# KiCad board USB Cable Tester.kicad_pcb (continued)
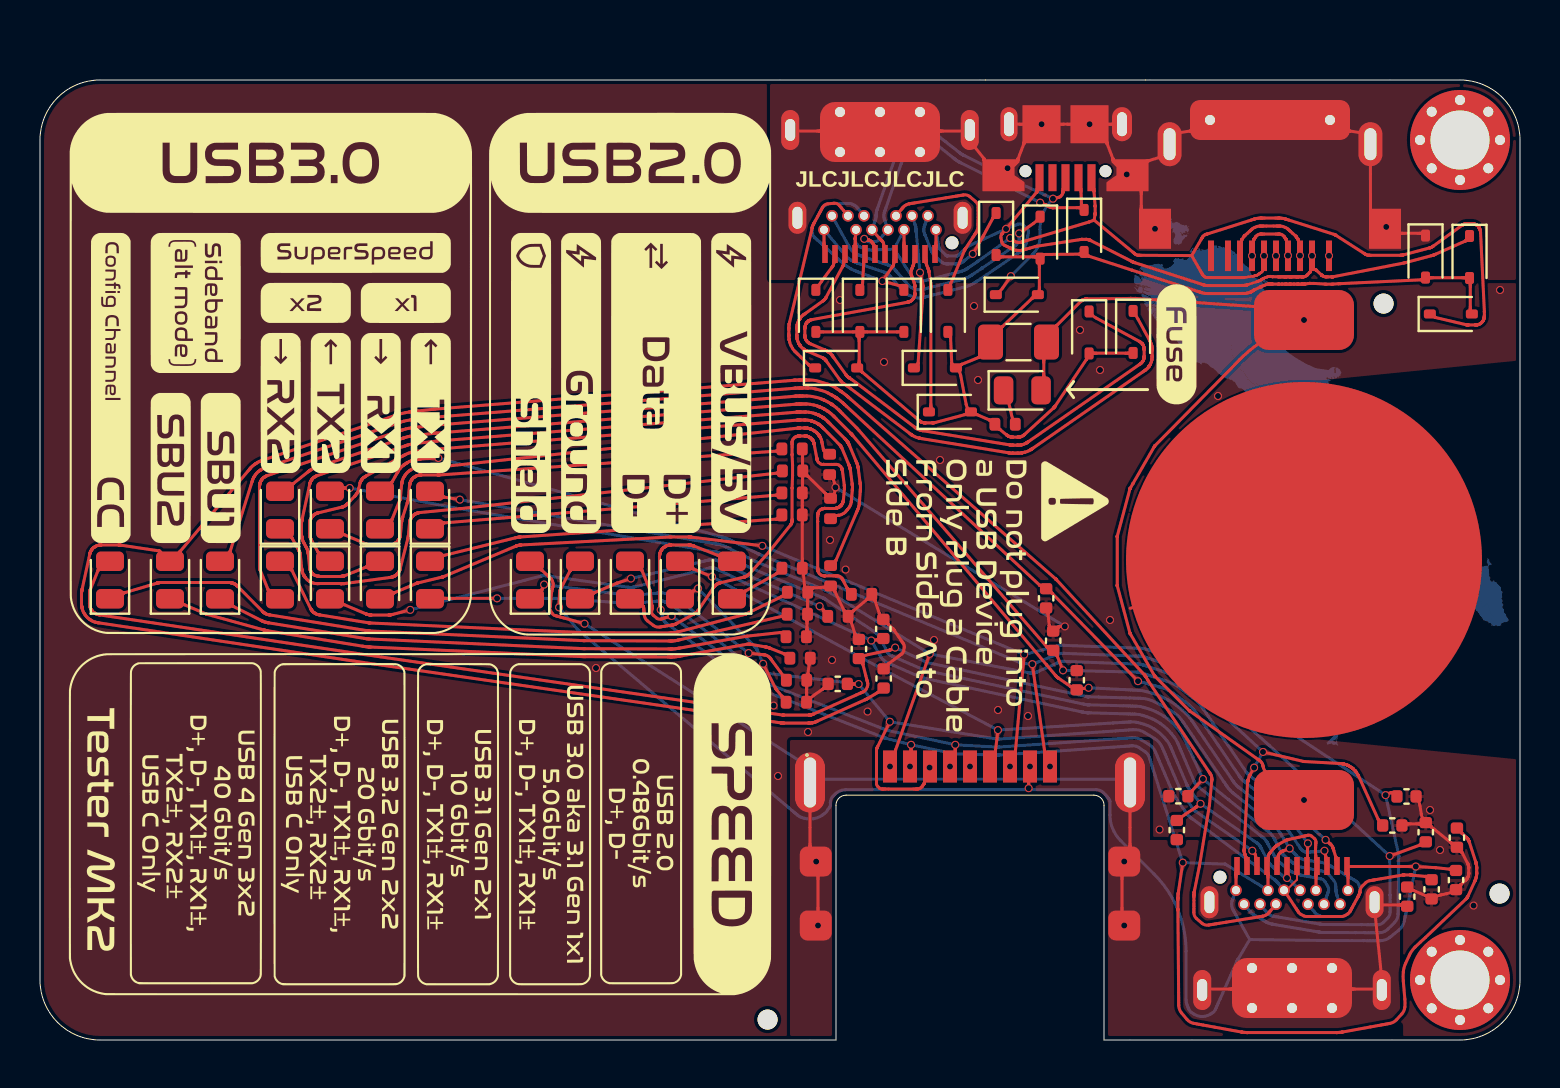
[diagram p0: board, top side]
## Routing (per net, layer and track width the routed paths; a pad name or vN(x,y) marks a point on that pad's centre or on a via; arc(x,y) is an arc through that point) (continued)
Net-(D21-K): length 32.6
  Top w0.15: D21.1 52.56,36.3 arc(52.67,36.19) 52.8,36.1 54.96,34.93 arc(54.97,34.93) 54.97,34.93 arc(54.97,34.93) 54.98,34.93 54.98,34.92 arc(54.98,34.92) 54.99,34.92 arc(54.99,34.92) 54.99,34.91 55.01,34.9 arc(55.03,34.89) 55.04,34.88 arc(55.05,34.87) 55.07,34.86 55.09,34.84 arc(55.1,34.83) 55.11,34.81 55.13,34.78 arc(55.13,34.78) 55.13,34.78 55.15,34.75 arc(55.16,34.74) 55.17,34.72 55.18,34.69 arc(55.18,34.68) 55.19,34.66 55.2,34.61 arc(55.2,34.6) 55.2,34.6 arc(55.2,34.59) 55.2,34.58 55.2,34.56 arc(55.21,34.56) 55.21,34.55 55.21,34.16 arc(55.21,34.15) 55.2,34.14 55.2,34.13 arc(55.2,34.12) 55.2,34.11 55.19,34.04 arc(55.18,34.03) 55.18,34.01 55.17,33.98 arc(55.16,33.97) 55.15,33.96 55.13,33.92 arc(55.12,33.91) 55.11,33.89 arc(55.1,33.88) 55.09,33.87 55.07,33.85 arc(55.06,33.84) 55.05,33.83 54.98,33.78 49.42,29.91 arc(49.41,29.91) 49.41,29.91 arc(49.4,29.9) 49.39,29.9 49.33,29.85 arc(49.3,29.84) 49.26,29.82 49.2,29.79 arc(49.16,29.78) 49.13,29.77 49.06,29.76 arc(49.04,29.76) 49.02,29.75 arc(49.01,29.75) 48.99,29.75 48.95,29.74 arc(48.94,29.74) 48.92,29.74 48.62,29.74 arc(48.6,29.74) 48.59,29.74 48.56,29.74 arc(48.54,29.75) 48.53,29.75 48.46,29.76 44.15,30.46 arc(44.14,30.46) 44.13,30.47 arc(44.12,30.47) 44.11,30.47 44.04,30.48 arc(44.01,30.49) 43.97,30.5 43.91,30.53 arc(43.88,30.55) 43.84,30.56 43.8,30.59 arc(43.8,30.6) 43.8,30.6 arc(43.8,30.6) 43.79,30.6 43.79,30.6 arc(43.78,30.61) 43.77,30.62 43.76,30.62 arc(43.74,30.64) 43.72,30.65 40.78,32.88 arc(40.68,32.96) 40.58,33.03 40.48,33.1 arc(40.47,33.1) 40.46,33.11 40.44,33.12 arc(40.44,33.13) 40.43,33.13 40.43,33.13 arc(40.41,33.14) 40.4,33.15 arc(40.39,33.16) 40.38,33.17 40.36,33.18 arc(40.35,33.19) 40.34,33.21 40.32,33.23 arc(40.32,33.23) 40.32,33.24 arc(40.32,33.24) 40.31,33.24 40.3,33.26 arc(40.3,33.26) 40.3,33.26 39.6,34.25 arc(39.58,34.27) 39.55,34.3 39.51,34.34 arc(39.48,34.36) 39.45,34.38 39.38,34.43 arc(39.36,34.44) 39.35,34.45 39.32,34.47 arc(39.3,34.47) 39.29,34.48 39.21,34.51 38.52,34.81 arc(38.51,34.81) 38.5,34.82 arc(38.5,34.82) 38.49,34.82 38.48,34.83 arc(38.47,34.83) 38.46,34.84 arc(38.46,34.84) 38.45,34.85 38.44,34.85 arc(38.44,34.85) 38.44,34.85 38.43,34.86 arc(38.42,34.87) 38.41,34.87 38.41,34.88 arc(38.39,34.89) 38.38,34.9 38.36,34.92 arc(38.35,34.93) 38.34,34.94 38.3,35.01 arc(38.29,35.02) 38.28,35.04 38.27,35.06 arc(38.26,35.08) 38.26,35.1 38.25,35.15 arc(38.25,35.15) 38.25,35.16 arc(38.25,35.17) 38.25,35.18 38.24,35.19 arc(38.24,35.2) 38.24,35.21 38.24,35.6 arc(38.24,35.61) 38.24,35.62 38.25,35.63 arc(38.25,35.64) 38.25,35.65 38.25,35.68 arc(38.26,35.7) 38.26,35.71 arc(38.26,35.73) 38.27,35.74 38.28,35.77 arc(38.29,35.79) 38.3,35.8 38.32,35.83 arc(38.32,35.83) 38.32,35.83 arc(38.32,35.83) 38.32,35.83 38.34,35.86 arc(38.35,35.88) 38.36,35.89 38.38,35.91 arc(38.39,35.92) 38.41,35.93 38.44,35.95 arc(38.44,35.96) 38.44,35.96 38.47,35.98 arc(38.48,35.98) 38.5,35.99 38.53,36 arc(38.54,36.01) 38.56,36.01 38.62,36.02 arc(38.62,36.03) 38.63,36.03 43.36,36.88 arc(43.36,36.88) 43.37,36.89 43.43,36.9 arc(43.44,36.9) 43.46,36.91 43.49,36.92 arc(43.5,36.93) 43.52,36.93 43.58,36.98 arc(43.59,36.99) 43.6,37 43.63,37.02 arc(43.64,37.03) 43.65,37.04 43.69,37.11 arc(43.7,37.12) 43.7,37.14 43.72,37.16 arc(43.72,37.18) 43.73,37.2 43.74,37.26 arc(43.74,37.27) 43.74,37.28 43.74,37.29 arc(43.74,37.3) 43.74,37.31 43.74,37.7 arc(43.74,37.71) 43.74,37.72 43.74,37.73 arc(43.74,37.74) 43.74,37.75 arc(43.74,37.76) 43.74,37.76 43.73,37.79 arc(43.73,37.8) 43.73,37.81 arc(43.73,37.81) 43.72,37.82 43.72,37.83 arc(43.72,37.84) 43.72,37.84 arc(43.71,37.85) 43.71,37.86 43.56,38.25 arc(43.55,38.29) 43.55,38.34 43.55,38.42 arc(43.56,38.46) 43.57,38.5 43.67,38.75 arc(43.67,38.77) 43.68,38.78 43.68,38.81 arc(43.68,38.82) 43.69,38.84 43.69,38.89 arc(43.69,38.92) 43.69,38.96 J4.A3
Net-(D22-K): length 8
  Top w0.15: D22.1 44.52,31.52 arc(44.54,31.56) 44.54,31.59 44.54,37.71 arc(44.54,37.73) 44.54,37.75 44.54,37.8 arc(44.54,37.82) 44.53,37.84 44.44,38.45 arc(44.44,38.46) 44.44,38.48 44.43,38.5 arc(44.43,38.52) 44.42,38.53 44.34,38.73 arc(44.34,38.74) 44.33,38.75 arc(44.33,38.77) 44.32,38.78 44.32,38.81 arc(44.32,38.82) 44.32,38.82 arc(44.32,38.82) 44.31,38.84 44.31,38.89 arc(44.31,38.92) 44.31,38.96 J4.A2
Net-(D24-Pad1): length 2.9
  Top w0.15: D24.1 35.26,22.44 arc(35.26,22.44) 35.26,22.44 arc(35.26,22.44) 35.26,22.44 arc(35.26,22.44) 35.26,22.44 36.85,23.33 arc(36.85,23.33) 36.85,23.33 36.85,23.33 arc(36.85,23.33) 36.85,23.33 R22.1
Net-(D25-K): length 10.9
  Top w0.15: J4.A5 42.69,38.96 arc(42.69,38.92) 42.69,38.89 42.69,38.83 arc(42.68,38.8) 42.68,38.78 42.66,38.74 arc(42.66,38.72) 42.64,38.7 42.58,38.61 v1(42.12,37.95) 42.97,37.71 arc(42.97,37.71) 42.97,37.71 arc(42.97,37.71) 42.97,37.71 D25.1
  Bottom w0.15: v1(42.12,37.95) 40.72,38.47 arc(40.62,38.52) 40.53,38.57 40.35,38.68 arc(40.27,38.74) 40.18,38.8 39.79,39.16 38.72,40.14 arc(38.66,40.22) 38.63,40.31 38.59,40.51 arc(38.59,40.61) 38.63,40.7 39.1,41.58 arc(39.15,41.64) 39.21,41.7 39.36,41.78 arc(39.43,41.81) 39.52,41.83 40.47,41.83 arc(40.54,41.82) 40.6,41.8 40.72,41.74 arc(40.78,41.7) 40.83,41.66 J4.B5
Net-(D26-K): length 48.5
  Top w0.15: J4.S1 37.51,45.48 arc(37.52,45.46) 37.53,45.45 39.03,45.45 arc(39.07,45.45) 39.11,45.45 40.83,45.42 arc(42,45.41) 43.17,45.42 44.89,45.45 arc(44.93,45.45) 44.97,45.45 46.46,45.45 arc(46.48,45.46) 46.49,45.48 46.49,45.23 arc(46.53,44.97) 46.66,44.74 47.18,44.09 arc(47.18,44.09) 47.19,44.08 arc(47.19,44.08) 47.19,44.07 47.2,44.06 arc(47.2,44.05) 47.2,44.05 47.2,44 arc(47.21,43.97) 47.23,43.94 47.76,43.55 arc(48.16,43.43) v1(48.38,43.59) arc(48.16,43.43) 48.54,43.6 48.87,43.94 arc(48.89,43.97) 48.9,44 48.9,44.04 arc(48.9,44.05) 48.9,44.05 48.9,44.06 arc(48.9,44.06) 48.9,44.06 arc(48.91,44.07) 48.91,44.07 49.19,44.81 arc(49.19,44.81) 49.2,44.82 arc(49.2,44.82) 49.2,44.82 49.2,44.83 arc(49.2,44.83) 49.2,44.84 49.2,44.88 arc(49.21,44.91) 49.23,44.94 J3.6 ; J3.6 v1(54.34,43.28) 53.68,43.94 arc(53.66,43.97) 53.65,44 53.65,44.04 arc(53.65,44.05) 53.65,44.05 53.65,44.06 arc(53.65,44.06) 53.65,44.06 arc(53.64,44.07) 53.64,44.07 53.36,44.81 arc(53.36,44.81) 53.35,44.82 arc(53.35,44.82) 53.35,44.82 53.35,44.83 arc(53.35,44.83) 53.35,44.84 53.35,44.88 arc(53.34,44.91) 53.32,44.94 J3.6 ; J3.6 55.32,43.94 arc(55.35,43.96) 55.39,43.97 55.43,43.97 arc(55.43,43.97) 55.43,43.97 55.44,43.97 arc(55.44,43.97) 55.44,43.97 arc(55.45,43.97) 55.45,43.97 56.24,44.22 arc(56.41,44.34) 56.48,44.54 56.48,45.04 arc(56.55,45.23) 56.73,45.33 57.5,45.45 arc(57.5,45.45) 57.5,45.45 arc(57.5,45.45) 57.5,45.45 60.35,45.84 arc(61.5,45.92) 62.66,45.84 65.5,45.45 65.5,45.45 arc(65.5,45.45) 65.5,45.45 66.27,45.33 arc(66.45,45.23) 66.52,45.04 66.52,44.6 66.52,44.29 66.52,43.79 66.52,43.29 66.53,41.56 66.53,41.52 arc(66.53,41.49) 66.55,41.46 67.02,40.86 arc(67.28,40.61) v1(67.31,40.65) arc(67.28,40.61) 67.61,40.45 67.94,40.34 arc(67.98,40.34) 68.01,40.33 69.09,40.33 arc(69.12,40.33) 69.16,40.31 D26.1 ; J3.6 55.04,42.54 arc(55.06,42.51) 55.06,42.48 55.06,41.52 arc(55.07,41.49) 55.08,41.45 v1(55.75,40.56) ; J3.6 J3.6 ; J3.6 v1(50.08,45.79) J3.6 ; J3.6 v1(52.48,45.79) J3.6
Net-(D28-K): length 18.6
  Top w0.15: v1(50.01,41.87) 50.27,41.76 arc(50.28,41.76) 50.29,41.76 arc(50.3,41.75) 50.3,41.75 50.32,41.74 arc(50.33,41.74) 50.33,41.73 50.37,41.71 arc(50.38,41.7) 50.38,41.7 50.38,41.7 arc(50.38,41.7) 50.39,41.7 arc(50.39,41.7) 50.39,41.7 50.42,41.68 arc(50.45,41.66) 50.48,41.65 50.54,41.63 arc(50.58,41.62) 50.61,41.62 52.02,41.62 arc(52.05,41.61) 52.09,41.59 52.13,41.56 arc(52.16,41.56) 52.17,41.59 52.07,41.8 arc(52.07,41.8) 52.07,41.8 arc(52.07,41.8) 52.07,41.81 52.05,42.4 arc(52.05,42.44) 52.05,42.48 arc(52.05,42.51) 52.04,42.55 J3.2 ; J4.A7 41.69,39.64 arc(41.69,39.68) 41.69,39.71 41.69,39.75 arc(41.68,39.76) 41.68,39.77 41.68,39.78 arc(41.68,39.79) 41.67,39.79 41.57,39.92 arc(41.56,39.93) 41.55,39.95 41.51,39.97 arc(41.49,39.98) 41.48,39.98 41.45,39.99 arc(41.45,39.99) 41.44,39.99 41.43,40 arc(41.43,40) 41.42,40 arc(41.42,40) 41.41,40 41.41,40.01 arc(41.41,40.01) 41.4,40.01 arc(41.4,40.01) 41.4,40.01 41.39,40.01 arc(41.39,40.01) 41.38,40.01 arc(41.38,40.01) 41.38,40.01 v1(41.21,40.06)
  Bottom w0.15: v1(50.01,41.87) 45.94,43.91 arc(45.91,43.93) 45.88,43.94 45.83,43.98 arc(45.81,43.99) 45.78,44.01 45.66,44.11 44.41,45.1 arc(44.32,45.16) 44.21,45.19 44.09,45.2 arc(43.86,45.2) 43.65,45.13 arc(43.46,45) 43.32,44.83 43.25,44.73 arc(43.21,44.63) 43.19,44.52 43.19,44.35 arc(43.19,44.3) 43.18,44.25 43.17,44.15 arc(43.16,44.11) 43.14,44.06 43.06,43.82 42.23,41.42 42.21,41.36 arc(42.2,41.31) 42.2,41.26 42.2,41.16 arc(42.2,41.11) 42.21,41.06 42.35,40.65 arc(42.36,40.52) 42.3,40.4 41.97,40.02 arc(41.87,39.95) 41.76,39.92 41.52,39.91 arc(41.41,39.92) 41.31,39.97 v1(41.21,40.06)
Net-(D29-K): length 7.8
  Top w0.15: D29.1 43.9,33.83 arc(43.9,33.83) 43.9,33.83 arc(43.9,33.83) 43.9,33.83 44.14,37.24 arc(44.14,37.27) 44.14,37.29 arc(44.14,37.32) 44.14,37.34 44.14,37.71 arc(44.14,37.73) 44.14,37.75 44.14,37.78 arc(44.14,37.8) 44.13,37.82 44.12,37.86 arc(44.12,37.88) 44.12,37.89 arc(44.11,37.91) 44.11,37.92 v1(44,38.37)
  Bottom w0.15: v1(44,38.37) 43.81,40.41 arc(43.81,40.42) 43.81,40.43 arc(43.81,40.44) 43.81,40.45 43.81,40.48 arc(43.81,40.49) 43.81,40.5 43.81,40.54 arc(43.8,40.56) 43.8,40.58 43.79,40.63 arc(43.79,40.66) 43.78,40.68 J4.B10
Net-(D31-Pad1): length 13.4
  Top w0.15: D31.1 27.69,22.35 arc(27.69,22.35) 27.69,22.35 27.7,22.35 arc(27.7,22.36) 27.7,22.36 28.82,22.83 arc(28.82,22.83) 28.83,22.83 arc(28.83,22.83) 28.83,22.84 28.84,22.84 arc(28.84,22.84) 28.84,22.84 arc(28.85,22.84) 28.85,22.84 v1(29.55,23.07) ; v1(38.98,21.69) 39.18,21.48 arc(39.18,21.48) 39.18,21.48 arc(39.18,21.48) 39.18,21.48 R23.1
  Bottom w0.15: v1(38.98,21.69) 35.51,23.17 arc(35.47,23.19) 35.43,23.21 arc(35.39,23.23) 35.35,23.25 33.91,23.96 arc(33.84,23.99) 33.77,24 33.62,24.02 arc(33.55,24.02) 33.48,24.01 33.11,23.92 v1(29.55,23.07)
Net-(D39-Pad1): length 14.8
  Top w0.15: R24.1 37.21,18.14 arc(37.11,18.29) 37,18.43 36.49,19.12 arc(36.46,19.15) 36.42,19.18 36.34,19.23 arc(36.3,19.24) 36.25,19.25 36.02,19.28 v1(35.43,19.35) ; D39.1 25.09,22.51 arc(25.09,22.51) 25.09,22.51 25.09,22.51 arc(25.09,22.51) 25.1,22.52 v1(25.2,22.77)
  Bottom w0.15: v1(25.2,22.77) 29.44,22.23 29.46,22.23 arc(29.49,22.23) 29.51,22.22 29.56,22.22 arc(29.58,22.22) 29.6,22.23 29.72,22.24 31.02,22.36 arc(31.08,22.36) 31.15,22.35 31.27,22.33 arc(31.34,22.31) 31.39,22.28 31.98,21.95 arc(32,21.94) 32.01,21.94 arc(32.02,21.93) 32.03,21.92 32.06,21.9 arc(32.07,21.9) 32.08,21.89 32.14,21.84 v1(35.43,19.35)
Net-(D40-Pad1): length 34.9
  Top w0.15: R25.1 37.19,21.2 arc(37.16,21.18) 37.12,21.18 37.09,21.18 arc(37.08,21.18) 37.08,21.18 37.08,21.18 arc(37.07,21.18) 37.07,21.18 arc(37.07,21.18) 37.07,21.18 31.93,20 31.83,19.97 arc(31.79,19.97) 31.76,19.96 31.68,19.95 arc(31.65,19.95) 31.61,19.95 31.43,19.95 27.24,19.96 arc(27.22,19.96) 27.21,19.97 arc(27.19,19.97) 27.17,19.97 16.51,20.45 arc(16.49,20.45) 16.48,20.45 arc(16.46,20.45) 16.44,20.45 16.41,20.46 arc(16.4,20.46) 16.38,20.46 11.5,21.25 arc(11.49,21.25) 11.49,21.25 arc(11.48,21.26) 11.47,21.26 11.37,21.28 arc(11.36,21.28) 11.34,21.29 11.31,21.3 arc(11.3,21.31) 11.28,21.31 11.18,21.38 arc(11.18,21.38) 11.17,21.39 11.16,21.4 arc(11.15,21.41) 11.15,21.41 9.85,22.71 arc(9.85,22.72) 9.84,22.72 9.83,22.74 arc(9.82,22.74) 9.82,22.75 9.72,22.81 arc(9.7,22.82) 9.69,22.83 9.66,22.84 arc(9.64,22.84) 9.63,22.85 9.51,22.87 arc(9.5,22.87) 9.5,22.87 9.48,22.88 arc(9.47,22.88) 9.46,22.88 6.04,22.88 arc(6.03,22.88) 6.02,22.88 6,22.87 arc(6,22.87) 5.99,22.87 5.89,22.85 arc(5.89,22.85) 5.88,22.85 arc(5.88,22.85) 5.88,22.85 5.87,22.85 arc(5.87,22.85) 5.86,22.85 4.2,22.35 arc(4.2,22.35) 4.19,22.35 4.19,22.35 arc(4.19,22.35) 4.19,22.35 D40.1
Net-(D41-Pad1): length 28.8
  Top w0.15: D41.1 9.66,21.69 arc(9.66,21.69) 9.66,21.68 arc(9.66,21.68) 9.66,21.68 arc(9.66,21.68) 9.66,21.68 11.15,20.93 arc(11.17,20.92) 11.19,20.92 11.24,20.9 arc(11.26,20.89) 11.28,20.89 11.39,20.87 arc(11.4,20.86) 11.42,20.86 arc(11.43,20.86) 11.44,20.86 16.21,20.08 16.32,20.07 arc(16.34,20.06) 16.37,20.06 16.41,20.05 arc(16.43,20.05) 16.45,20.05 arc(16.47,20.05) 16.5,20.05 27.14,19.57 arc(27.17,19.57) 27.2,19.57 arc(27.22,19.57) 27.25,19.56 31.43,19.55 31.61,19.55 arc(31.65,19.55) 31.69,19.55 31.76,19.56 arc(31.8,19.56) 31.83,19.57 32.02,19.6 35.25,20.18 arc(35.28,20.18) 35.31,20.19 arc(35.34,20.19) 35.37,20.19 37.03,20.37 arc(37.03,20.37) 37.03,20.37 37.03,20.37 arc(37.03,20.37) 37.04,20.37 arc(37.04,20.37) 37.04,20.37 R26.1
Net-(D42-Pad1): length 31.5
  Top w0.15: R27.1 37.23,19.3 arc(37.23,19.3) 37.23,19.3 37.23,19.3 arc(37.23,19.3) 37.22,19.3 36.45,19.61 arc(36.43,19.62) 36.41,19.62 36.37,19.64 arc(36.35,19.64) 36.32,19.65 36.22,19.66 35.49,19.79 arc(35.47,19.8) 35.45,19.8 35.41,19.8 arc(35.39,19.8) 35.37,19.79 arc(35.35,19.79) 35.33,19.79 31.95,19.18 31.89,19.17 arc(31.85,19.17) 31.8,19.16 31.71,19.15 arc(31.67,19.15) 31.62,19.15 31.39,19.15 27.26,19.16 arc(27.22,19.17) 27.19,19.17 arc(27.15,19.17) 27.12,19.17 16.46,19.65 16.43,19.65 arc(16.4,19.65) 16.37,19.66 16.32,19.66 arc(16.29,19.67) 16.26,19.67 16.13,19.69 11.38,20.46 arc(11.36,20.46) 11.34,20.47 arc(11.32,20.47) 11.3,20.47 11.27,20.48 arc(11.26,20.48) 11.25,20.49 11.23,20.49 arc(11.22,20.49) 11.21,20.5 11.16,20.51 8.37,21.28 arc(8.36,21.28) 8.36,21.28 arc(8.35,21.28) 8.35,21.28 8.34,21.29 arc(8.33,21.29) 8.33,21.29 7.2,21.77 arc(7.2,21.77) 7.2,21.77 7.19,21.77 arc(7.19,21.77) 7.19,21.77 D42.1
Net-(D43-Pad1): length 8.3
  Top w0.15: R28.1 37.1,17.18 arc(37.1,17.19) 37.1,17.19 37.1,17.19 arc(37.1,17.19) 37.1,17.19 36.84,17.5 arc(36.84,17.5) 36.83,17.51 arc(36.83,17.51) 36.83,17.51 36.82,17.52 arc(36.82,17.52) 36.82,17.53 arc(36.82,17.53) 36.81,17.53 36.79,17.57 arc(36.79,17.57) 36.78,17.58 arc(36.78,17.58) 36.78,17.59 36.77,17.59 arc(36.77,17.6) 36.77,17.6 arc(36.77,17.61) 36.76,17.61 v1(36.16,18.81) ; D43.1 32.66,22.44 arc(32.66,22.44) 32.66,22.44 arc(32.66,22.44) 32.66,22.44 arc(32.66,22.44) 32.66,22.44 v1(32.91,22.58)
  Bottom w0.15: v1(32.91,22.58) 35.77,19.65 arc(35.78,19.63) 35.79,19.61 35.82,19.58 arc(35.83,19.56) 35.84,19.54 35.88,19.45 v1(36.16,18.81)
Net-(D44-Pad1): length 27.2
  Top w0.15: R29.1 40.36,22.58 arc(40.36,22.58) 40.36,22.58 arc(40.36,22.58) 40.36,22.58 arc(40.36,22.58) 40.36,22.58 40.11,23.07 arc(40.08,23.11) 40.05,23.14 39.97,23.18 arc(39.93,23.2) 39.89,23.21 39.25,23.21 arc(39.25,23.21) 39.24,23.21 39.24,23.21 arc(39.24,23.21) 39.24,23.21 39.18,23.21 arc(39.12,23.21) 39.07,23.24 38.98,23.31 arc(38.94,23.35) 38.92,23.4 38.9,23.47 arc(38.9,23.48) 38.9,23.49 arc(38.9,23.49) 38.89,23.5 38.89,23.53 arc(38.89,23.54) 38.89,23.54 38.88,23.56 arc(38.88,23.57) 38.88,23.58 38.88,23.61 38.88,25.93 38.88,26.21 arc(38.88,26.21) 38.88,26.22 38.88,26.24 arc(38.88,26.25) 38.89,26.25 arc(38.89,26.26) 38.89,26.27 38.89,26.29 arc(38.89,26.29) 38.89,26.29 38.91,26.36 arc(38.92,26.41) 38.95,26.44 39.02,26.51 arc(39.06,26.54) 39.1,26.56 39.16,26.57 arc(39.17,26.57) 39.18,26.57 arc(39.18,26.58) 39.19,26.58 39.21,26.58 arc(39.22,26.58) 39.23,26.58 39.7,26.57 arc(39.71,26.57) 39.71,26.57 arc(39.72,26.57) 39.73,26.57 39.74,26.58 arc(39.74,26.58) 39.75,26.58 arc(39.76,26.58) 39.76,26.58 39.81,26.59 arc(39.82,26.59) 39.82,26.59 39.83,26.59 arc(39.84,26.59) 39.84,26.6 39.89,26.61 arc(39.89,26.62) 39.9,26.62 arc(39.91,26.62) 39.91,26.62 39.93,26.63 arc(39.93,26.63) 39.94,26.64 39.99,26.67 arc(40,26.68) 40.01,26.68 40.02,26.7 arc(40.03,26.7) 40.04,26.71 40.08,26.76 arc(40.09,26.78) 40.1,26.79 40.11,26.81 arc(40.12,26.82) 40.12,26.84 40.16,26.92 arc(40.16,26.93) 40.16,26.94 40.17,26.96 arc(40.17,26.98) 40.17,26.99 40.22,27.61 arc(40.22,27.62) 40.22,27.63 40.22,27.65 arc(40.22,27.67) 40.22,27.68 40.21,27.74 40.12,28.43 arc(40.12,28.45) 40.12,28.46 arc(40.12,28.47) 40.12,28.48 40.12,28.48 arc(40.11,28.49) 40.11,28.5 arc(40.11,28.52) 40.11,28.53 40.09,28.59 arc(40.07,28.64) 40.03,28.68 39.94,28.75 arc(39.9,28.77) 39.85,28.78 39.21,28.78 arc(39.2,28.78) 39.19,28.78 39.19,28.78 arc(39.19,28.78) 39.19,28.78 39.13,28.78 arc(39.07,28.78) 39.02,28.81 38.93,28.88 arc(38.89,28.92) 38.87,28.97 38.85,29.04 arc(38.85,29.05) 38.85,29.06 arc(38.85,29.07) 38.84,29.07 38.84,29.09 arc(38.84,29.09) 38.84,29.09 38.7,29.8 arc(38.7,29.8) 38.7,29.8 arc(38.7,29.8) 38.7,29.8 38.69,29.87 arc(38.69,29.89) 38.68,29.9 38.67,29.93 arc(38.66,29.94) 38.65,29.96 38.63,29.99 arc(38.63,29.99) 38.63,30 arc(38.63,30) 38.62,30 38.62,30.01 arc(38.62,30.01) 38.62,30.01 arc(38.62,30.01) 38.61,30.02 38.59,30.04 arc(38.58,30.06) 38.57,30.06 38.55,30.08 arc(38.54,30.09) 38.53,30.1 38.47,30.14 arc(38.46,30.15) 38.45,30.15 38.43,30.16 arc(38.42,30.17) 38.41,30.17 38.37,30.18 arc(38.36,30.18) 38.36,30.18 38.35,30.19 arc(38.35,30.19) 38.34,30.19 38.32,30.19 arc(38.31,30.19) 38.3,30.2 arc(38.3,30.2) 38.29,30.2 38.27,30.2 arc(38.27,30.2) 38.26,30.2 37.97,30.2 arc(37.96,30.2) 37.96,30.2 37.94,30.2 arc(37.93,30.2) 37.92,30.2 arc(37.92,30.19) 37.91,30.19 37.89,30.19 arc(37.88,30.19) 37.88,30.19 37.88,30.19 arc(37.87,30.18) 37.87,30.18 arc(37.87,30.18) 37.86,30.18 37.79,30.16 arc(37.74,30.14) 37.7,30.1 37.64,30.02 arc(37.61,29.97) 37.6,29.92 37.6,29.28 arc(37.6,29.27) 37.6,29.27 arc(37.6,29.26) 37.6,29.25 37.63,28.75 arc(37.63,28.75) 37.63,28.74 arc(37.63,28.73) 37.63,28.73 37.63,28.25 arc(37.63,28.24) 37.63,28.24 arc(37.63,28.23) 37.63,28.23 37.6,27.6 arc(37.6,27.6) 37.6,27.6 arc(37.6,27.59) 37.6,27.59 37.6,25.94 arc(37.6,25.92) 37.6,25.9 37.59,25.86 arc(37.58,25.84) 37.57,25.82 37.57,25.81 arc(37.56,25.8) 37.55,25.79 37.55,25.79 arc(37.55,25.78) 37.55,25.78 arc(37.54,25.77) 37.54,25.77 37.53,25.76 arc(37.53,25.76) 37.53,25.75 arc(37.53,25.75) 37.52,25.75 36.48,24.44 arc(36.47,24.43) 36.46,24.42 arc(36.45,24.41) 36.45,24.4 35.48,23.31 arc(35.47,23.3) 35.47,23.3 arc(35.46,23.29) 35.45,23.28 35.43,23.27 arc(35.43,23.26) 35.42,23.26 arc(35.41,23.25) 35.4,23.24 35.34,23.21 arc(35.33,23.2) 35.32,23.19 arc(35.31,23.18) 35.29,23.18 35.27,23.16 arc(35.25,23.16) 35.24,23.16 35.17,23.14 33.96,22.84 arc(33.94,22.84) 33.93,22.83 33.9,22.82 arc(33.89,22.81) 33.87,22.81 33.86,22.8 33.84,22.78 arc(33.84,22.78) 33.83,22.78 arc(33.83,22.78) 33.83,22.77 33.78,22.74 arc(33.76,22.73) 33.75,22.72 33.73,22.7 arc(33.72,22.69) 33.71,22.67 33.67,22.61 32.89,21.45 arc(32.88,21.44) 32.87,21.43 32.85,21.4 arc(32.84,21.39) 32.82,21.38 32.73,21.32 arc(32.73,21.32) 32.73,21.32 arc(32.72,21.32) 32.72,21.32 32.72,21.31 arc(32.71,21.31) 32.71,21.31 31.78,20.8 arc(31.76,20.79) 31.75,20.78 31.71,20.77 arc(31.69,20.76) 31.67,20.76 30.99,20.65 arc(30.82,20.66) 30.67,20.73 30.38,20.95 arc(30.27,21.08) 30.22,21.25 30.18,21.66 arc(30.18,21.66) 30.17,21.66 30.17,21.67 arc(30.17,21.68) 30.16,21.68 30.16,21.68 arc(30.16,21.69) 30.16,21.69 D44.1
Net-(D45-Pad1): length 17.7
  Top w0.15: R30.1 36.93,27.26 arc(36.9,27.25) 36.86,27.24 36.83,27.24 arc(36.82,27.24) 36.82,27.24 arc(36.82,27.24) 36.81,27.24 20.2,25.85 arc(20.2,25.85) 20.19,25.85 20.19,25.85 arc(20.19,25.85) 20.19,25.85 D45.1
Net-(D46-Pad1): length 17.9
  Top w0.15: R31.1 36.83,26.04 arc(36.83,26.04) 36.83,26.04 36.83,26.04 arc(36.83,26.04) 36.83,26.04 24.04,25.15 23.98,25.15 arc(23.97,25.15) 23.96,25.15 23.94,25.14 arc(23.92,25.14) 23.91,25.14 arc(23.9,25.14) 23.89,25.13 23.82,25.12 arc(23.81,25.12) 23.79,25.11 arc(23.78,25.11) 23.76,25.11 20.19,24.23 arc(20.19,24.23) 20.19,24.23 arc(20.19,24.23) 20.19,24.23 arc(20.19,24.23) 20.19,24.23 D46.1
Net-(D47-Pad1): length 42.8
  Top w0.15: D47.1 16.31,23.65 arc(16.31,23.65) 16.31,23.65 16.3,23.65 arc(16.3,23.64) 16.3,23.64 15.26,23.22 arc(15.25,23.22) 15.24,23.22 arc(15.24,23.22) 15.23,23.21 15.22,23.21 arc(15.21,23.21) 15.2,23.21 15.15,23.2 arc(15.15,23.2) 15.15,23.2 arc(15.15,23.2) 15.15,23.2 15.11,23.19 arc(15.1,23.19) 15.09,23.18 15.08,23.18 arc(15.08,23.18) 15.07,23.18 arc(15.07,23.18) 15.06,23.18 14.98,23.18 arc(14.97,23.18) 14.97,23.18 arc(14.96,23.17) 14.95,23.17 14.05,23.17 arc(14.04,23.17) 14.04,23.17 arc(14.03,23.17) 14.03,23.17 14.02,23.18 arc(14.02,23.18) 14.01,23.18 arc(14.01,23.18) 14,23.18 14,23.18 arc(14,23.18) 13.99,23.18 13.97,23.18 arc(13.96,23.18) 13.94,23.18 13.92,23.18 arc(13.92,23.19) 13.91,23.19 13.89,23.19 arc(13.89,23.19) 13.88,23.19 arc(13.87,23.19) 13.87,23.2 13.8,23.21 arc(13.79,23.22) 13.77,23.22 arc(13.75,23.23) 13.73,23.24 13.7,23.26 arc(13.69,23.27) 13.67,23.28 13.62,23.33 arc(13.61,23.33) 13.6,23.34 13.59,23.36 arc(13.59,23.36) 13.58,23.37 13.54,23.43 arc(13.53,23.45) 13.52,23.46 13.51,23.49 arc(13.51,23.51) 13.5,23.52 13.48,23.63 arc(13.48,23.64) 13.48,23.64 13.48,23.65 arc(13.48,23.66) 13.48,23.66 arc(13.48,23.66) 13.48,23.67 13.42,24.26 arc(13.42,24.27) 13.42,24.28 13.42,24.29 arc(13.42,24.3) 13.41,24.31 arc(13.41,24.32) 13.41,24.33 13.39,24.44 arc(13.38,24.47) 13.37,24.49 13.36,24.55 arc(13.35,24.57) 13.33,24.59 13.17,24.91 arc(13.15,24.93) 13.14,24.95 13.13,25.01 arc(13.12,25.03) 13.11,25.06 13.08,25.19 arc(13.08,25.21) 13.08,25.23 13.08,25.27 arc(13.07,25.28) 13.07,25.3 13.07,25.82 arc(13.07,25.84) 13.08,25.86 13.08,25.89 arc(13.08,25.91) 13.08,25.93 13.11,26.03 arc(13.11,26.04) 13.11,26.05 arc(13.11,26.05) 13.11,26.06 13.5,27.86 arc(13.51,27.87) 13.51,27.89 13.52,27.92 arc(13.53,27.93) 13.54,27.94 13.61,28.05 arc(13.62,28.06) 13.63,28.07 13.65,28.1 arc(13.66,28.11) 13.68,28.12 13.78,28.18 arc(13.79,28.19) 13.8,28.19 13.82,28.2 arc(13.83,28.21) 13.84,28.21 arc(13.85,28.22) 13.86,28.22 18.27,29.71 18.38,29.75 arc(18.43,29.76) 18.48,29.77 18.58,29.8 arc(18.63,29.81) 18.68,29.81 19.81,29.94 arc(19.82,29.94) 19.84,29.95 arc(19.85,29.95) 19.87,29.95 37.8,31.39 37.87,31.4 arc(37.89,31.4) 37.9,31.4 37.93,31.4 arc(37.95,31.4) 37.96,31.4 38.31,31.4 arc(38.37,31.4) 38.44,31.39 38.56,31.37 arc(38.62,31.36) 38.68,31.34 38.75,31.31 arc(38.76,31.31) 38.78,31.31 38.79,31.3 arc(38.81,31.29) 38.83,31.28 38.88,31.27 arc(38.9,31.26) 38.92,31.25 38.99,31.21 arc(39.01,31.2) 39.03,31.19 39.07,31.17 arc(39.1,31.15) 39.12,31.14 39.19,31.09 arc(39.22,31.07) 39.25,31.05 39.31,31 arc(39.34,30.97) 39.37,30.94 39.51,30.8 40.29,30.02 arc(40.3,30.01) 40.31,29.99 40.33,29.97 arc(40.34,29.95) 40.35,29.94 40.38,29.9 arc(40.38,29.9) 40.38,29.9 arc(40.38,29.9) 40.38,29.9 40.4,29.86 arc(40.41,29.85) 40.42,29.83 40.44,29.8 arc(40.45,29.79) 40.45,29.77 40.49,29.69 40.84,28.84 arc(40.85,28.81) 40.86,28.79 40.88,28.73 arc(40.89,28.71) 40.89,28.68 40.9,28.64 arc(40.9,28.62) 40.91,28.61 40.91,28.59 arc(40.92,28.55) 40.92,28.51 41.02,27.76 arc(41.02,27.73) 41.02,27.7 41.02,27.63 arc(41.02,27.6) 41.02,27.57 40.97,26.82 arc(40.96,26.77) 40.95,26.73 40.93,26.64 arc(40.92,26.59) 40.9,26.55 40.81,26.33 39.79,23.97 arc(39.79,23.97) 39.79,23.97 arc(39.79,23.97) 39.79,23.96 arc(39.79,23.96) 39.79,23.96 R32.1
Net-(D48-Pad1): length 25.3
  Top w0.15: R33.1 39.19,29.5 arc(39.19,29.5) 39.18,29.5 arc(39.18,29.5) 39.18,29.5 arc(39.18,29.5) 39.18,29.5 39.18,29.5 arc(39.18,29.5) 39.18,29.51 arc(39.18,29.51) 39.18,29.51 39.18,29.51 arc(39.17,29.51) 39.17,29.51 39.17,29.52 arc(39.17,29.52) 39.17,29.52 arc(39.17,29.52) 39.17,29.53 39.08,29.97 arc(39.07,30.01) 39.06,30.04 39.03,30.1 arc(39.01,30.13) 39,30.16 38.95,30.23 arc(38.94,30.24) 38.94,30.25 38.92,30.28 arc(38.91,30.29) 38.9,30.3 38.85,30.35 arc(38.84,30.36) 38.82,30.38 38.79,30.4 arc(38.77,30.41) 38.76,30.43 38.68,30.48 arc(38.67,30.49) 38.65,30.49 38.62,30.51 arc(38.61,30.52) 38.59,30.52 38.54,30.55 arc(38.52,30.55) 38.5,30.56 38.47,30.57 arc(38.45,30.57) 38.43,30.58 38.43,30.58 arc(38.42,30.58) 38.4,30.58 38.37,30.59 arc(38.35,30.59) 38.34,30.59 38.3,30.6 arc(38.28,30.6) 38.27,30.6 37.97,30.6 arc(37.96,30.6) 37.95,30.6 37.93,30.6 arc(37.92,30.6) 37.91,30.6 37.86,30.59 20,28.66 19.96,28.65 arc(19.95,28.65) 19.94,28.65 19.93,28.65 arc(19.92,28.65) 19.91,28.65 19.91,28.65 arc(19.91,28.65) 19.9,28.65 arc(19.9,28.65) 19.9,28.65 19.89,28.65 arc(19.88,28.65) 19.87,28.65 19.03,28.65 arc(19.01,28.65) 18.99,28.65 18.96,28.65 arc(18.94,28.64) 18.92,28.64 18.77,28.61 arc(18.74,28.6) 18.71,28.59 18.64,28.56 arc(18.61,28.55) 18.58,28.53 18.44,28.44 arc(18.41,28.42) 18.38,28.39 18.33,28.34 arc(18.31,28.32) 18.29,28.29 18.19,28.15 arc(18.18,28.12) 18.16,28.09 18.13,28.02 arc(18.12,27.99) 18.11,27.95 18.09,27.83 arc(18.09,27.82) 18.09,27.81 arc(18.08,27.8) 18.08,27.79 18.08,27.78 arc(18.08,27.77) 18.08,27.76 arc(18.08,27.75) 18.08,27.74 18.02,27.17 arc(18.02,27.16) 18.02,27.16 arc(18.02,27.16) 18.02,27.15 18.02,27.14 arc(18.02,27.14) 18.02,27.13 18,27.03 arc(18,27.02) 18,27.01 17.99,27 arc(17.99,26.99) 17.99,26.99 arc(17.98,26.98) 17.98,26.97 17.6,26.02 arc(17.59,26.01) 17.59,26.01 17.59,26.01 arc(17.59,26.01) 17.59,26.01 D48.1
